# Altium PCB DIO_MCX.PCBDOC (part 2 of 3) (continued)
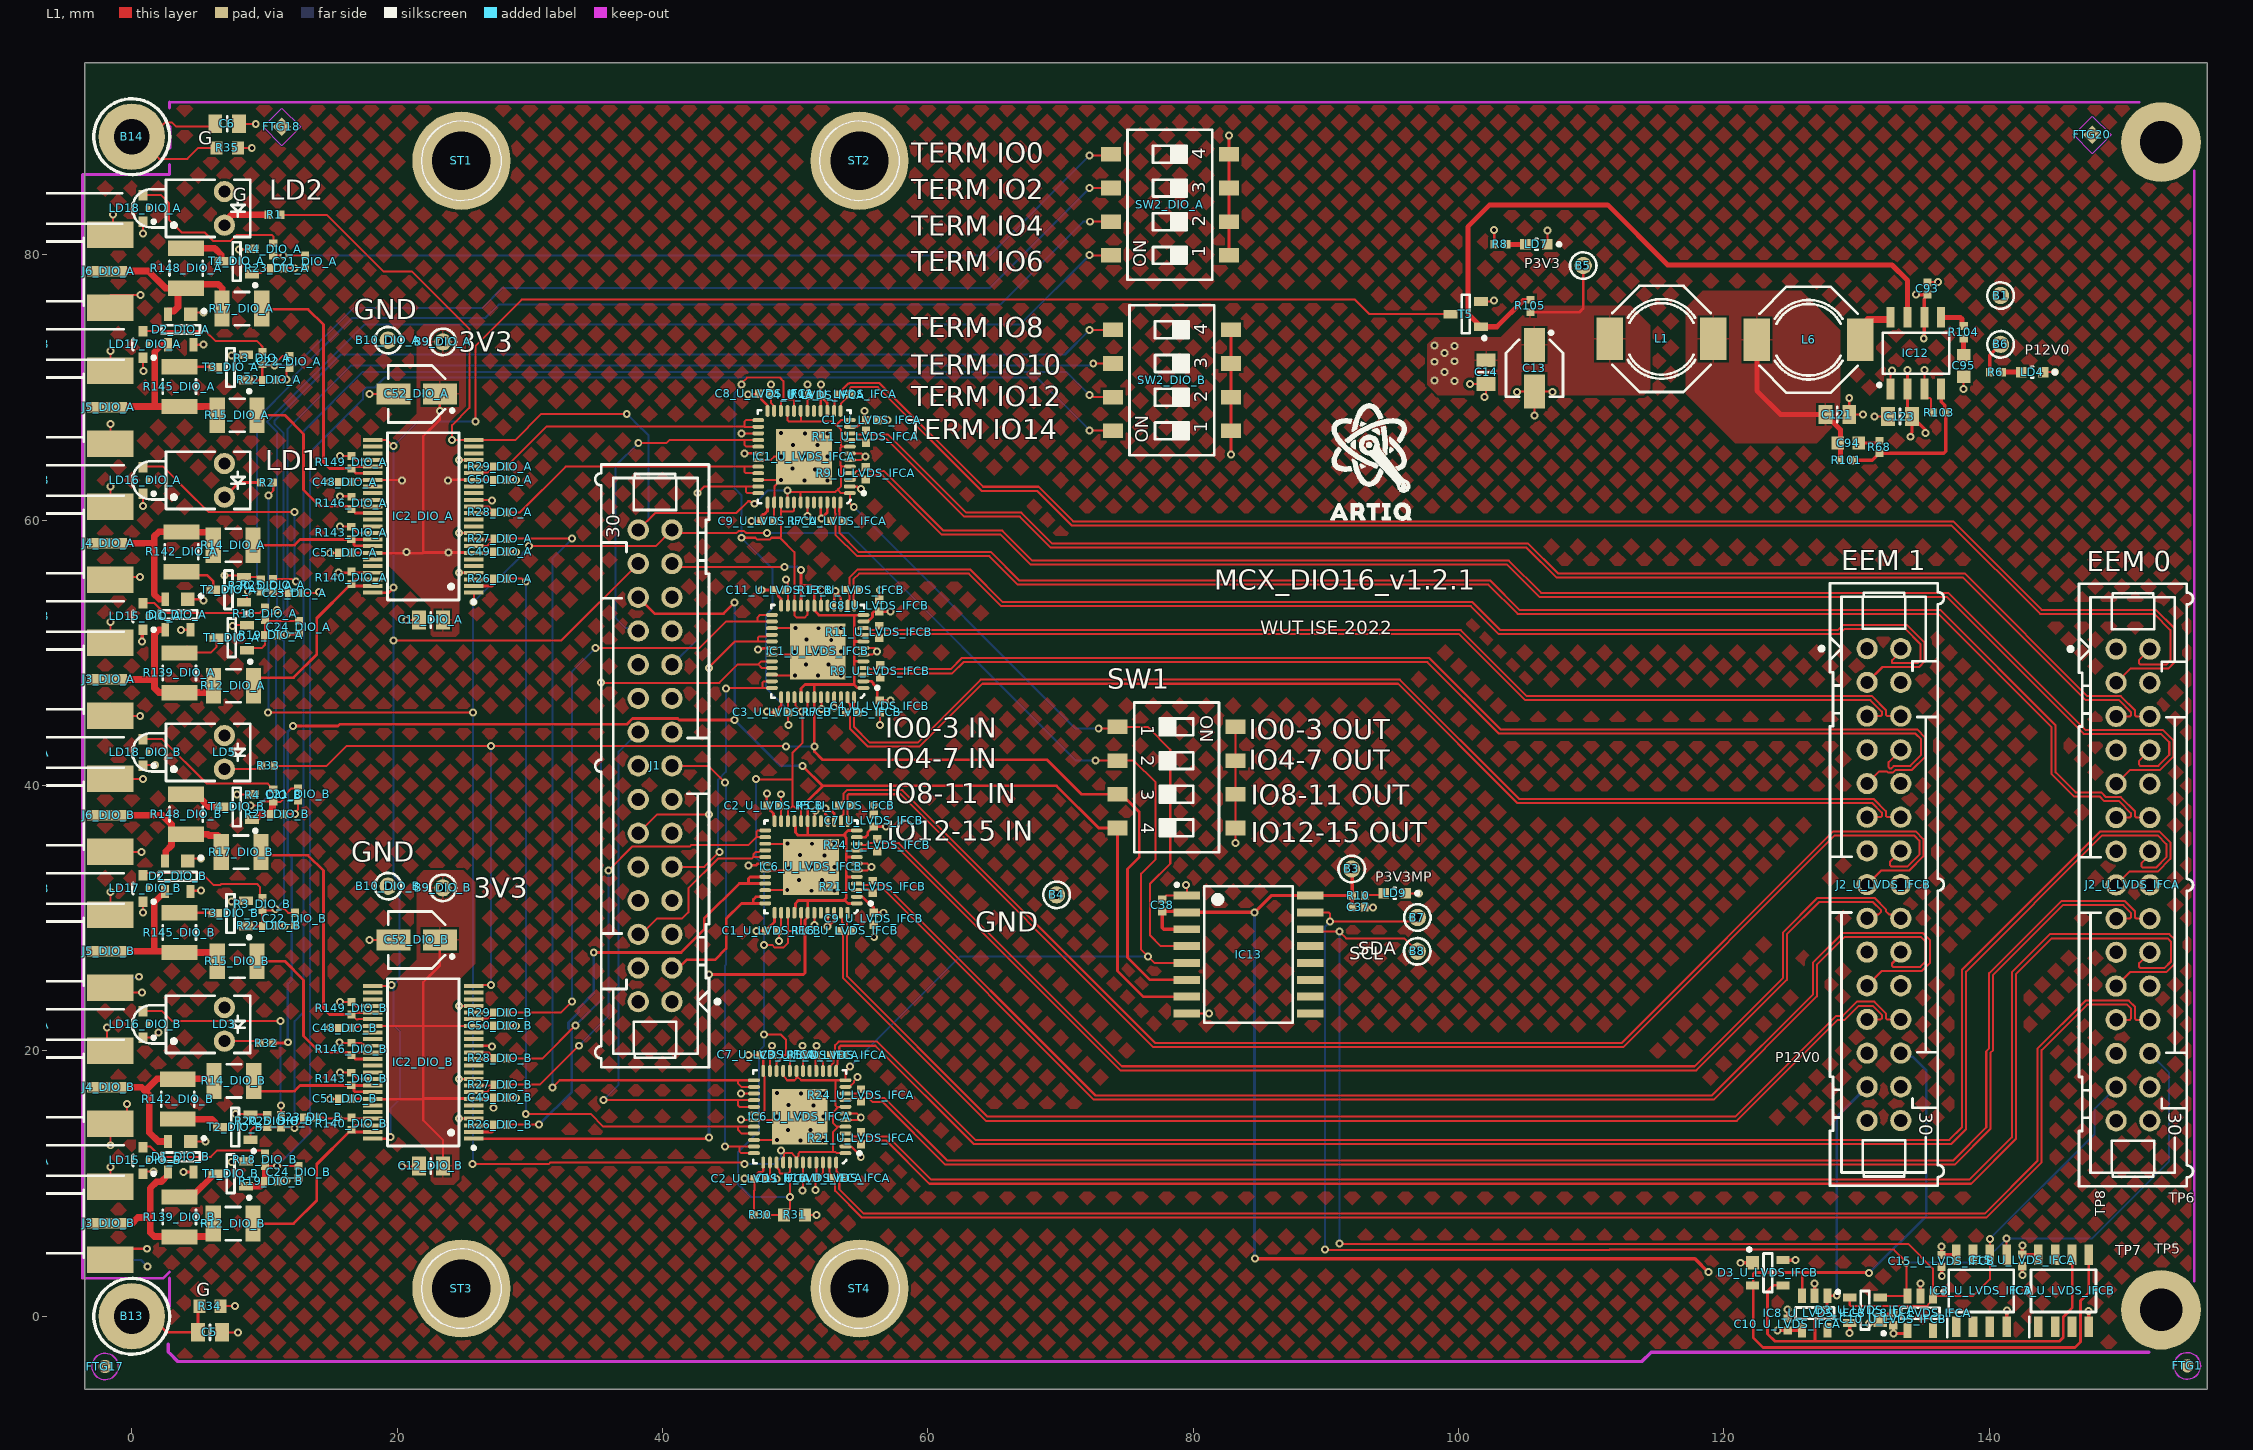
[diagram p0: L1 view]
## Nets (pads, with @x,y where several pads share a name; then routed paths per layer and width w, separated by ;. In a path a pad name is that pad's centre, name@x,y a point inside that pad or via, vN(x,y) a via of type N, cw(c..) or ccw(c..) an arc to the next point about the centre after c; other vN are vias at no path point) (continued)
  L1 w0.152: v1(-1.856,21.749) -1.856,20.238 J4_DIO_B.2@-1.606,19.988 ; J4_DIO_A.2@-1.726,61.56 -1.587,61.699 v1(-1.587,62.537) ; v1(-1.62,72.752) -1.606,72.738 J5_DIO_A.2@-1.606,72.238 ; J3_DIO_B.2@-1.606,5.088 v1(1.144,5.088) ; J3_DIO_B.2@-1.606,10.588 v1(-1.606,11.253) ; v1(-1.606,12.888) J4_DIO_B.2@-1.606,14.488 ; J4_DIO_B.2@-1.606,15.338 -0.449,15.338 -0.363,15.424 v1(-0.363,16) ; J5_DIO_B.2@-1.606,24.738 -1.256,24.388 v1(0.787,24.388) ; J5_DIO_B.2@-1.606,30.238 v1(-1.606,31.989) ; J6_DIO_B.2@-1.606,34.988 v1(0.748,34.988) ; J6_DIO_B.2@-1.606,40.488 v1(0.844,40.488) ; J3_DIO_A.2@-1.606,46.174 -1.419,45.987 -0.119,45.987 -0.119,45.416 0.068,45.229 v1(0.638,45.229) ; J3_DIO_A.2@-1.606,51.738 -1.606,52.334 v1(-1.602,52.338) ; J4_DIO_A.2@-1.606,56.424 -1.529,56.347 -0.009,56.347 -0.009,55.782 0.068,55.705 v1(0.633,55.705) ; J5_DIO_A.2@-1.606,66.738 -1.604,66.74 v1(-1.604,67.251) ; J6_DIO_A.2@-1.606,76.988 v1(0.647,76.988) ; J6_DIO_A.2@-1.606,81.5 -1.401,81.705 v1(-1.401,83.038) ; v1(0.838,81.621) 0.838,82.494 LD18_DIO_A.1@0.844,82.5 ; v1(0.839,61.068) LD16_DIO_A.1@0.839,62 ; LD15_DIO_B.1@0.844,10.798 0.969,10.923 v1(1.644,10.923) ; LD16_DIO_B.1@0.844,20.994 1.625,20.994 v1@1.933,21.303 ; v1(0.844,30.419) 0.844,31.139 0.981,31.276 LD17_DIO_B.1@0.844,31.413 ; LD18_DIO_B.1@0.844,41.532 v1(1.769,41.532) ; LD17_DIO_A.1@0.844,72.25 0.844,71.273 v1(0.879,71.239) ; D2_DIO_B.1@4.21,34.313 4.385,34.488 v2(5.222,34.488) ; D1_DIO_A.1@4.222,54.04 5.339,54.04 v2(5.419,53.96) ; D1_DIO_B.1@4.444,13.167 5.294,13.167 5.368,13.092 5.495,13.092 v2(5.569,13.167) ; D2_DIO_A.1@4.444,75.517 4.572,75.645 v2(5.419,75.645) ; R34.1@6.694,0.757 v1(7.797,0.757) ; C5.2@6.794,-1.212 v1(7.997,-1.212) ; v1(6.994,55.838) 8.313,55.838 T2_DIO_A.2@8.444,55.707 9.555,55.707 R20_DIO_A.1@9.724,55.538 ; v1(7.527,11.628) 7.591,11.692 T1_DIO_B.2@8.597,11.692 ; v1(7.527,31.269) 7.575,31.317 T3_DIO_B.2@8.594,31.317 ; v1(7.527,72.419) 7.575,72.467 T3_DIO_A.2@8.594,72.467 ; v1(7.607,52.024) 7.671,52.088 T1_DIO_A.2@8.677,52.088 ; v1(7.836,15.251) 8.886,15.251 T2_DIO_B.2@8.936,15.201 10.182,15.201 R20_DIO_B.1@10.208,15.175 ; v1(7.917,39.328) 7.927,39.338 T4_DIO_B.2@9.067,39.338 ; R35.1@7.994,88.056 v1(9.044,88.056) ; v1(8.09,80.404) 9.271,80.404 T4_DIO_A.2@9.319,80.452 ; C6.2@8.094,89.876 v1(9.344,89.876) ; R22_DIO_B.1@10.814,29.417 v1(11.531,29.417) 11.616,29.503 11.778,29.503 11.786,29.51 C22_DIO_B.1@12.296,29.51 ; R22_DIO_A.1@10.814,70.567 v1@11.638,70.567 ; R19_DIO_B.1@10.989,10.179 11.605,10.179 v1(11.668,10.242) 11.789,10.242 11.964,10.417 C24_DIO_B.1@12.575,10.417 ; R19_DIO_A.1@10.989,51.329 11.605,51.329 v1(11.668,51.392) 12.49,51.392 C24_DIO_A.1@12.594,51.496 ; R23_DIO_B.1@11.439,37.838 v1(12.296,37.838) 12.296,37.959 12.536,38.2 C21_DIO_B.1@12.536,38.878 ; R23_DIO_A.1@11.439,78.988 v1(12.27,78.988) 12.32,79.038 C21_DIO_A.1@13.066,79.038 ; v1(11.668,70.597) 11.668,71.269 C22_DIO_A.1@11.879,71.48 ; C23_DIO_A.1@12.746,54.502 14.033,54.502 v1(14.122,54.591) ; C23_DIO_B.1@13.894,14.987 14.404,14.987 14.493,14.898 v1(15.584,14.898) 15.594,14.888 IC2_DIO_B.45@18.169,14.888 ; v1(14.914,62.869) C48_DIO_A.1@15.644,62.869 ; v1(14.944,16.388) C51_DIO_B.1@15.634,16.388 ; v1(14.944,21.749) 15.614,21.749 C48_DIO_B.1@15.644,21.719 ; v1(14.944,57.538) C51_DIO_A.1@15.634,57.538 ; v1(15.584,56.048) 15.594,56.038 IC2_DIO_A.45@18.169,56.038 ; v1(15.644,20.653) 15.688,20.608 R146_DIO_B.1@16.554,20.608 17.287,20.608 17.36,20.535 17.447,20.535 17.594,20.388 IC2_DIO_B.34@18.169,20.388 ; v1(15.688,18.358) R143_DIO_B.1@16.544,18.358 17.014,17.888 IC2_DIO_B.39@18.169,17.888 ; v1(15.688,23.683) R149_DIO_B.1@16.554,23.683 16.922,23.314 17.049,23.314 17.123,23.388 IC2_DIO_B.28@18.169,23.388 ; v1(15.688,59.508) R143_DIO_A.1@16.544,59.508 17.014,59.038 IC2_DIO_A.39@18.169,59.038 ; v1(15.688,64.833) R149_DIO_A.1@16.554,64.833 16.922,64.464 17.049,64.464 17.123,64.538 IC2_DIO_A.28@18.169,64.538 ; v1(15.693,61.803) 16.51,61.803 R146_DIO_A.1@16.554,61.758 16.768,61.544 16.871,61.544 16.877,61.538 IC2_DIO_A.34@18.169,61.538 ; v1(17.919,28.361) C52_DIO_B.2@19.719,28.361 ; v1(17.919,69.511) C52_DIO_A.2@19.719,69.511 ; v1(20.369,11.28) 21.596,11.28 C12_DIO_B.1@21.644,11.328 ; v1(20.694,52.468) 20.704,52.478 C12_DIO_A.1@21.644,52.478 ; v1(24.669,14.888) IC2_DIO_B.4@25.769,14.888 ; v1(24.669,17.888) IC2_DIO_B.10@25.769,17.888 ; v1(24.669,23.388) IC2_DIO_B.21@25.769,23.388 ; v1(24.669,56.038) IC2_DIO_A.4@25.769,56.038 ; v1(24.669,59.038) IC2_DIO_A.10@25.769,59.038 ; v1(24.669,64.538) IC2_DIO_A.21@25.769,64.538 ; IC2_DIO_B.15@25.769,20.388 27.104,20.388 v1(27.153,20.339) ; IC2_DIO_A.15@25.769,61.538 27.104,61.538 v1(27.153,61.489) ; C49_DIO_B.1@28.219,16.464 v1(28.944,16.464) ; C50_DIO_B.1@28.219,21.888 v1(28.944,21.888) ; C49_DIO_A.1@28.219,57.614 v1(28.944,57.614) ; C50_DIO_A.1@28.219,63.038 v1(28.944,63.038) ; v1(45.933,14.816) 45.962,14.788 IC6_U_LVDS_IFCA.31@46.894,14.788 IC6_U_LVDS_IFCA.49@50.094,14.788 ; v1(45.933,16.788) IC6_U_LVDS_IFCA.27@46.894,16.788 ; v1(45.944,66.541) 47.216,66.541 IC1_U_LVDS_IFCA.27@47.219,66.538 ; IC6_U_LVDS_IFCA.34@46.894,13.288 IC6_U_LVDS_IFCA.49@48.594,13.288 ; IC1_U_LVDS_IFCA.34@47.219,63.038 v2(48.919,63.038) ; IC1_U_LVDS_IFCA.31@47.219,64.538 48.169,64.538 48.419,64.788 v2(48.944,64.788) ; IC6_U_LVDS_IFCB.34@47.744,32.113 47.752,32.122 v2(49.404,32.122) ; IC6_U_LVDS_IFCB.31@47.744,33.613 49.326,33.613 v2(49.479,33.766) ; IC6_U_LVDS_IFCB.27@47.744,35.613 47.772,35.585 49.389,35.585 v2(49.422,35.619) ; IC6_U_LVDS_IFCA.38@48.094,11.588 48.094,10.675 48.078,10.659 48.078,10.586 C2_U_LVDS_IFCA.1@47.844,10.352 v1(48.594,10.352) ; IC6_U_LVDS_IFCA.23@48.094,18.488 48.094,20.238 v1(48.244,20.388) ; v1(48.169,70.238) C8_U_LVDS_IFCA.1@48.169,69.53 48.169,68.838 48.345,68.662 48.345,68.652 48.419,68.578 IC1_U_LVDS_IFCA.23@48.419,68.238 ; IC1_U_LVDS_IFCB.34@48.244,48.358 48.291,48.311 v2(49.969,48.311) ; IC1_U_LVDS_IFCB.31@48.244,49.858 49.77,49.858 v2(49.969,50.057) ; C9_U_LVDS_IFCA.1@48.369,59.937 48.419,59.987 IC1_U_LVDS_IFCA.38@48.419,61.338 48.444,61.363 48.444,62.563 v2(50.669,64.788) ; v1(48.769,28.286) 48.769,28.963 C1_U_LVDS_IFCB.1@48.694,29.038 48.944,29.288 IC6_U_LVDS_IFCB.38@48.944,30.413 ; IC6_U_LVDS_IFCB.23@48.944,37.313 v1(48.944,39.343) ; v1(49.319,55.538) 49.405,55.453 49.405,55.264 49.444,55.225 IC1_U_LVDS_IFCB.23@49.444,53.558 ; IC1_U_LVDS_IFCB.38@49.444,46.658 49.444,44.614 v1(49.508,44.55) ; v2(50.018,51.859) IC1_U_LVDS_IFCB.27@48.245,51.859 ; v1(50.569,9.488) 50.594,9.513 IC6_U_LVDS_IFCA.43@50.594,11.588 ; v1(50.569,20.388) 50.594,20.363 IC6_U_LVDS_IFCA.18@50.594,18.488 ; R31.2@50.754,7.638 v1(51.594,7.638) ; IC1_U_LVDS_IFCA.43@50.919,61.338 50.919,60.353 v1(50.944,60.328) ; IC1_U_LVDS_IFCA.18@50.919,68.238 50.919,69.268 C4_U_LVDS_IFCA.1@51.069,69.418 50.919,69.568 v1(50.919,70.238) ; v1(51.444,29.498) IC6_U_LVDS_IFCB.43@51.444,30.413 ; IC6_U_LVDS_IFCB.18@51.444,37.313 51.472,37.341 51.472,38.084 v1(51.523,38.134) ; IC1_U_LVDS_IFCB.43@51.944,46.658 51.969,46.633 v1(51.969,45.763) ; IC1_U_LVDS_IFCB.18@51.944,53.558 51.944,54.656 v1(52.019,54.731) ; IC6_U_LVDS_IFCA.6@53.794,14.788 54.744,14.788 v1(54.944,14.988) 54.644,15.288 IC6_U_LVDS_IFCA.7@53.794,15.288 ; IC1_U_LVDS_IFCA.6@54.119,64.538 54.976,64.538 55.226,64.788 54.976,65.038 IC1_U_LVDS_IFCA.7@54.119,65.038 ; IC6_U_LVDS_IFCB.6@54.644,33.613 55.436,33.613 55.691,33.868 55.681,33.868 55.436,34.113 IC6_U_LVDS_IFCB.7@54.644,34.113 ; IC1_U_LVDS_IFCB.6@55.144,49.858 55.806,49.858 v1@55.971,50.023 ; IC1_U_LVDS_IFCB.7@55.144,50.358 v1@56.029,50.358 ; C9_U_LVDS_IFCB.1@55.919,29.513 55.919,28.618 v1(55.959,28.578) ; C7_U_LVDS_IFCB.1@55.919,37.813 55.919,38.516 v1(55.942,38.538) ; C1_U_LVDS_IFCA.1@56.229,67.538 v1(56.944,67.538) ; C8_U_LVDS_IFCB.1@56.344,54.008 56.344,54.718 v1(56.379,54.753) ; v1(56.379,44.55) C4_U_LVDS_IFCB.1@56.379,45.513 ; C38.1@77.669,31.413 77.964,31.708 IC13.1@79.519,31.708 79.519,32.438 v1(79.444,32.513) ; IC13.8@79.519,22.818 v1(81.194,22.818) ; v1(83.194,35.652) SW1.5@83.194,36.803 SW1.8@83.194,44.423 ; C37.1@92.906,30.818 v1(93.556,30.818) ; LD9.1@96.019,31.873 v1(97.019,31.873) ; v1(100.844,70.253) C14.1@102.069,70.253 102.069,69.514 101.944,69.389 v1(101.944,69.268) ; T5.2@101.694,76.478 102.622,76.478 v1(102.686,76.542) ; v1(104.394,69.651) 104.447,69.703 C13.2@105.719,69.703 ; v1(105.719,67.903) C13.2@105.719,69.703 ; LD7.1@106.694,80.788 v1(106.694,81.828) ; v1(107.094,69.663) 107.054,69.703 C13.2@105.719,69.703 ; v1(129.444,69.211) C121.1@129.444,67.963 v1(130.494,67.963) ; v1(131.339,67.813) C123.1@132.369,67.813 ; IC12.1@132.564,69.888 132.564,70.952 132.588,70.976 132.588,71.18 v1(132.674,71.265) ; v1(135.101,71.323) 135.104,71.32 IC12.3@135.104,69.888 135.104,69.434 135.328,69.211 135.52,69.211 135.609,69.121 135.609,68.278 R103.2@135.774,68.113 ; C93.1@135.334,77.903 135.384,77.953 v1(136.122,77.953) ; C15_U_LVDS_IFCB.1@136.406,3.706 136.407,3.708 C15_U_LVDS_IFCB.1@136.417,3.699 ; v1(138.069,69.888) C95.1@138.069,70.823 ; LD4.1@144.069,71.153 v1(144.944,71.153) ; IC1_U_LVDS_IFCB.27@48.244,51.858 IC1_U_LVDS_IFCB.27@48.245,51.859
  L1 w0.254: v1(0.759,50.851) 0.801,50.893 0.801,51.708 LD15_DIO_A.1@0.844,51.75 ; v1(121.264,4.032) D3_U_LVDS_IFCB.1@122.156,4.032 ; C10_U_LVDS_IFCA.1@124.807,-0.163 v1(124.807,0.515) ; IC8_U_LVDS_IFCB.2@126.833,1.78 126.837,1.783 126.837,2.464 v1(126.833,2.468) ; v1(130.936,-0.542) 131.723,-0.542 D3_U_LVDS_IFCA.1@131.775,-0.594 ; D3_U_LVDS_IFCA.1@131.782,-0.547 132.155,-0.174 132.155,-0.039 132.334,0.14 C10_U_LVDS_IFCB.1@132.844,0.14 ; IC8_U_LVDS_IFCA.2@134.798,1.529 v1(134.798,2.47) ; v1(136.417,3.023) C15_U_LVDS_IFCB.1@136.417,3.699 ; IC3_U_LVDS_IFCA.4@141.307,-0.795 141.313,-0.788 141.313,0.419 v1(141.32,0.425) ; v1(142.491,3.096) C15_U_LVDS_IFCA.1@142.491,3.765 ; v1(147.467,0.391) 147.483,0.374 147.483,-0.778 IC3_U_LVDS_IFCB.4@147.5,-0.795
  L4 w0.152: v1(-1.856,21.749) -1.856,20.238 J4_DIO_B.2@-1.606,19.988 ; v1(-1.62,72.752) -1.606,72.738 J5_DIO_A.2@-1.606,72.238 ; J3_DIO_B.2@-1.606,4.238 0.694,4.238 v1(1.194,3.738) ; J3_DIO_B.2@-1.606,9.738 v1(-1.606,11.253) ; v1(-1.606,12.888) J4_DIO_B.2@-1.606,14.488 ; J5_DIO_B.2@-1.606,24.738 -0.833,25.511 0.467,25.511 v1(0.544,25.588) ; J5_DIO_B.2@-1.606,30.238 v1(-1.606,31.989) ; J6_DIO_B.2@-1.606,34.988 v1(0.748,34.988) ; J6_DIO_B.2@-1.606,40.488 v1(0.844,40.488) ; J3_DIO_A.2@-1.606,46.174 -1.419,45.987 -0.119,45.987 -0.119,45.416 0.068,45.229 v1(0.638,45.229) ; J3_DIO_A.2@-1.606,51.738 -1.606,52.334 v1(-1.602,52.338) ; J4_DIO_A.2@-1.606,56.424 -1.529,56.347 -0.009,56.347 -0.009,55.782 0.068,55.705 v1(0.633,55.705) ; J4_DIO_A.2@-1.606,61.988 -1.606,62.519 v1(-1.587,62.537) ; J5_DIO_A.2@-1.606,66.738 -1.604,66.74 v1(-1.604,67.251) ; J6_DIO_A.2@-1.606,76.988 v1(0.647,76.988) ; J6_DIO_A.2@-1.606,81.5 -1.401,81.705 v1(-1.401,83.038)
  other v1: 2.019,21.388 55.749,33.868 56.154,50.104 55.289,64.788
  other v2: 50.384,13.245 52.119,13.245 48.619,13.288 49.456,14.054 51.167,14.054 48.619,15.038 50.344,15.038 52.119,15.038 49.505,15.925 51.369,15.903 50.421,16.788 52.119,16.793 48.619,16.838 51.234,32.07 52.969,32.07 50.306,32.879 52.017,32.879 51.194,33.863 52.969,33.863 52.219,34.728 50.355,34.75 51.271,35.613 52.969,35.618 51.734,48.311 53.469,48.311 50.806,49.121 52.517,49.121 51.694,50.104 53.469,50.104 52.719,50.969 50.855,50.991 51.771,51.854 53.469,51.859 50.709,62.995 52.444,62.995 51.492,63.804 49.781,63.9 52.444,64.788 51.694,65.653 49.83,65.675 50.746,66.538 52.444,66.543 48.944,66.588
I2C_SCL: B8.1 D3_U_LVDS_IFCA.3 IC3_U_LVDS_IFCA.6 IC8_U_LVDS_IFCA.1 IC13.14 J2_U_LVDS_IFCA.27 | length 110.4
  L1 w0.152: IC13.14@88.819,29.168 88.999,28.988 v1(91.019,28.988) 91.519,28.488 95.908,28.488 B8.1@96.888,27.508 ; v1(91.042,5.488) 91.069,5.461 133.878,5.461 135.748,3.592 IC8_U_LVDS_IFCA.1@135.748,1.535 ; D3_U_LVDS_IFCA.3@129.482,1.407 129.482,0.856 129.571,0.767 135.273,0.767 135.524,1.018 135.524,1.311 IC8_U_LVDS_IFCA.1@135.748,1.535 ; v1(140.046,5.837) 140.046,4.639 IC3_U_LVDS_IFCA.6@140.037,4.629 140.037,2.784 138.788,1.535 IC8_U_LVDS_IFCA.1@135.748,1.535
  L4 w0.152: v1(91.019,28.988) 91.042,28.965 v1(91.042,5.488) ; v1(140.046,5.837) 147.944,13.736 147.944,15.652 J2_U_LVDS_IFCA.27@149.558,17.267
I2C_SCL_U_LVDS_IFCB: D3_U_LVDS_IFCB.3 IC3_U_LVDS_IFCB.6 IC8_U_LVDS_IFCB.1 J2_U_LVDS_IFCB.27 | length 54.9
  L1 w0.203: D3_U_LVDS_IFCB.3@124.456,2.332 123.699,2.332 123.277,1.91 123.277,-1.32 123.841,-1.884 126.87,-1.884 ; IC8_U_LVDS_IFCB.1@127.772,1.445 127.772,0.601 126.87,-0.301 126.87,-1.884 ; IC8_U_LVDS_IFCB.1@127.79,1.535 127.807,1.552 v1(128.501,1.552) ; IC3_U_LVDS_IFCB.6@146.23,4.629 146.259,4.6 146.259,1.607 146.259,0.646 145.571,-0.042 145.571,-1.594 145.281,-1.884 126.87,-1.884
  L4 w0.203: v1@128.529,1.58 v1(128.501,1.552) 128.501,15.031 130.762,17.292 J2_U_LVDS_IFCB.27@130.788,17.292
I2C_SDA: B7.1 D3_U_LVDS_IFCA.2 IC3_U_LVDS_IFCA.5 IC8_U_LVDS_IFCA.3 IC13.15 J2_U_LVDS_IFCA.26 | length 115.4
  L1 w0.152: IC13.15@88.819,30.438 90.218,30.438 90.307,30.349 v1(90.307,29.738) 96.268,29.738 96.583,30.053 B7.1@96.894,30.053 ; v1(89.944,5.039) 89.998,4.985 111.346,4.985 111.375,5.014 132.807,5.014 133.767,4.054 133.767,1.594 133.708,1.535 131.91,1.535 D3_U_LVDS_IFCA.2@131.782,1.407 ; IC3_U_LVDS_IFCA.5@141.307,4.629 141.31,4.633 v1(141.31,5.845)
  L4 w0.152: v1(89.944,5.039) 89.944,29.375 v1(90.307,29.738) ; v1(133.721,4.055) 139.52,4.055 v1(141.31,5.845) 147.708,5.845 153.558,11.695 153.558,18.347 J2_U_LVDS_IFCA.26@152.098,19.807
I2C_SDA_U_LVDS_IFCB: D3_U_LVDS_IFCB.2 IC3_U_LVDS_IFCB.5 IC8_U_LVDS_IFCB.3 J2_U_LVDS_IFCB.26 | length 66.9
  L1 w0.203: D3_U_LVDS_IFCB.2@122.156,2.332 D3_U_LVDS_IFCB.2@122.199,2.375 ; IC8_U_LVDS_IFCB.3@125.89,1.535 125.89,3.288 ; v1(130.947,3.252) 130.895,3.303 122.318,3.303 122.199,3.184 D3_U_LVDS_IFCB.2@122.199,2.375 ; IC3_U_LVDS_IFCB.5@147.5,4.629 147.5,1.801 146.867,1.168 146.867,-1.927 146.445,-2.349 122.951,-2.349 122.199,-1.597 D3_U_LVDS_IFCB.2@122.199,2.375
  L4 w0.203: v1(130.947,3.252) 135.253,7.558 135.253,18.513 134.201,19.565 133.595,19.565 J2_U_LVDS_IFCB.26@133.328,19.832
IO0: IC1_U_LVDS_IFCA.25 IC1_U_LVDS_IFCA.26 R29_DIO_A.2 | length 21.7
  L1 w0.152: R29_DIO_A.2@28.239,64.038 31.245,67.045 46.188,67.045 46.194,67.038 ; IC1_U_LVDS_IFCA.26@47.219,67.038 46.194,67.038 ; IC1_U_LVDS_IFCA.25@47.219,67.538 46.283,67.538 46.194,67.449 46.194,67.038
IO1: IC1_U_LVDS_IFCA.28 IC1_U_LVDS_IFCA.29 J1.24 | length 26.6
  L1 w0.152: v1(38.174,65.811) 40.291,65.811 40.518,66.038 46.194,66.038 ; IC1_U_LVDS_IFCA.29@47.219,65.538 47.216,65.541 46.305,65.541 46.194,65.653 46.194,66.038 ; IC1_U_LVDS_IFCA.28@47.219,66.038 46.194,66.038
  L4 w0.152: J1.24@38.174,51.648 37.966,51.856 37.235,51.856 36.444,52.646 36.444,64.081 v1(38.174,65.811)
IO2: IC1_U_LVDS_IFCA.32 IC1_U_LVDS_IFCA.33 R28_DIO_A.2 | length 21.9
  L1 w0.152: R28_DIO_A.2@28.259,60.588 29.258,60.588 32.708,64.038 46.194,64.038 ; IC1_U_LVDS_IFCA.33@47.219,63.538 46.283,63.538 46.194,63.627 46.194,64.038 ; IC1_U_LVDS_IFCA.32@47.219,64.038 46.194,64.038
IO3: IC1_U_LVDS_IFCA.35 IC1_U_LVDS_IFCA.36 J1.21 | length 19.9
  L1 w0.152: v1(42.644,62.038) 43.144,62.538 46.283,62.538 ; IC1_U_LVDS_IFCA.36@47.219,62.038 46.373,62.038 46.283,62.127 46.283,62.538 ; IC1_U_LVDS_IFCA.35@47.219,62.538 46.283,62.538
  L4 w0.152: J1.21@40.714,49.108 42.644,51.039 v1(42.644,62.038)
IO4: IC6_U_LVDS_IFCA.25 IC6_U_LVDS_IFCA.26 R27_DIO_A.2 | length 63.9
  L1 w0.152: R27_DIO_A.2@28.259,58.604 v1(33.194,58.604) ; v1(31.694,17.238) 32.244,17.788 45.694,17.788 ; IC6_U_LVDS_IFCA.26@46.894,17.288 46.891,17.291 45.941,17.291 45.694,17.538 45.694,17.788 ; IC6_U_LVDS_IFCA.25@46.894,17.788 45.694,17.788
  L4 w0.152: v1(31.694,17.238) 31.694,57.104 v1(33.194,58.604)
IO5: IC6_U_LVDS_IFCA.28 IC6_U_LVDS_IFCA.29 J1.18 | length 41.8
  L1 w0.152: v1(35.544,16.288) 45.694,16.288 ; IC6_U_LVDS_IFCA.29@46.894,15.788 45.794,15.788 45.694,15.888 45.694,16.288 ; IC6_U_LVDS_IFCA.28@46.894,16.288 46.891,16.285 45.725,16.285 45.722,16.288 45.694,16.288
  L4 w0.152: v1(35.544,16.288) 36.694,17.438 36.694,42.548 J1.18@38.174,44.028
IO6: IC6_U_LVDS_IFCA.32 IC6_U_LVDS_IFCA.33 R26_DIO_A.2 | length 60.8
  L1 w0.152: R26_DIO_A.2@28.239,55.588 29.395,55.588 29.598,55.385 v1(29.708,55.385) ; v1(29.694,15.251) 34.582,15.251 35.545,14.288 45.694,14.288 ; IC6_U_LVDS_IFCA.33@46.894,13.788 45.944,13.788 45.694,14.038 45.694,14.288 ; IC6_U_LVDS_IFCA.32@46.894,14.288 45.694,14.288
  L4 w0.152: v1(29.694,15.251) 29.708,15.265 v1(29.708,55.385)
IO7: IC6_U_LVDS_IFCA.35 IC6_U_LVDS_IFCA.36 J1.15 | length 35.8
  L1 w0.152: J1.15@40.714,41.488 43.444,41.488 v1(44.694,40.238) ; v1(44.694,12.788) 45.794,12.788 ; IC6_U_LVDS_IFCA.36@46.894,12.288 45.933,12.288 45.794,12.428 45.794,12.788 ; IC6_U_LVDS_IFCA.35@46.894,12.788 45.794,12.788
  L4 w0.152: v1(44.694,12.788) 44.694,26.411 44.796,26.513 44.796,40.015 44.694,40.117 v1(44.694,40.238)
IO8: IC1_U_LVDS_IFCB.25 IC1_U_LVDS_IFCB.26 R29_DIO_B.2 | length 48.2
  L1 w0.152: R29_DIO_B.2@28.239,22.888 32.345,22.888 v1(33.169,23.713) ; v1(34.944,50.358) 42.773,50.358 44.773,52.358 47.169,52.358 ; IC1_U_LVDS_IFCB.26@48.244,52.358 47.169,52.358 ; IC1_U_LVDS_IFCB.25@48.244,52.858 47.351,52.858 47.169,52.676 47.169,52.358
  L4 w0.152: v1(33.169,23.713) 33.169,48.583 v1(34.944,50.358)
IO9: IC1_U_LVDS_IFCB.28 IC1_U_LVDS_IFCB.29 J1.12 | length 24
  L1 w0.152: J1.12@38.174,36.408 39.579,37.813 v1(43.508,37.813) ; v1(43.508,48.858) 43.508,48.922 45.444,50.858 47.194,50.858 ; IC1_U_LVDS_IFCB.29@48.244,50.858 47.194,50.858 ; IC1_U_LVDS_IFCB.28@48.244,51.358 47.91,51.358 47.781,51.229 47.283,51.229 47.194,51.14 47.194,50.858
  L4 w0.152: v1(43.508,37.813) v1(43.508,48.858)
IO10: IC1_U_LVDS_IFCB.32 IC1_U_LVDS_IFCB.33 R28_DIO_B.2 | length 47.6
  L1 w0.152: R28_DIO_B.2@28.259,19.438 30.964,19.438 v1(33.444,21.918) ; v1(35.38,47.769) 35.41,47.739 44.293,47.739 45.684,49.13 47.216,49.13 ; IC1_U_LVDS_IFCB.33@48.244,48.858 47.488,48.858 47.216,49.13 ; IC1_U_LVDS_IFCB.32@48.244,49.358 47.444,49.358 47.216,49.13
  L4 w0.152: v1(33.444,21.918) 35.38,23.854 v1(35.38,47.769)
IO11: IC1_U_LVDS_IFCB.35 IC1_U_LVDS_IFCB.36 J1.9 | length 21.3
  L1 w0.152: J1.9@40.714,33.868 43.161,33.868 v1(44.293,35) ; v1(44.773,47.306) 44.825,47.358 47.57,47.358 ; IC1_U_LVDS_IFCB.36@48.244,47.358 47.57,47.358 ; IC1_U_LVDS_IFCB.35@48.244,47.858 47.633,47.858 47.544,47.769 47.544,47.384 47.57,47.358
  L4 w0.152: v1(44.293,35) 44.207,35.085 44.207,35.296 44.191,35.313 44.191,40.447 44.773,41.029 v1(44.773,47.306)
IO12: IC6_U_LVDS_IFCB.25 IC6_U_LVDS_IFCB.26 R27_DIO_B.2 | length 34.8
  L1 w0.152: R27_DIO_B.2@28.259,17.454 30.76,17.454 v1(33.694,20.388) ; v1(35.944,33.613) 37.736,35.405 42.055,35.405 42.153,35.503 46.471,35.503 47.082,36.113 ; IC6_U_LVDS_IFCB.26@47.744,36.113 47.082,36.113 ; IC6_U_LVDS_IFCB.25@47.744,36.613 47.171,36.613 47.082,36.524 47.082,36.113
  L4 w0.152: v1(33.694,20.388) 35.944,22.638 v1(35.944,33.613)
IO13: IC6_U_LVDS_IFCB.28 IC6_U_LVDS_IFCB.29 J1.6 | length 14.3
  L1 w0.152: J1.6@38.174,28.788 38.404,28.788 39.579,29.963 41.459,29.963 41.944,30.448 41.944,32.256 44.185,34.497 46.727,34.497 46.844,34.613 ; IC6_U_LVDS_IFCB.29@47.744,34.613 46.844,34.613 ; IC6_U_LVDS_IFCB.28@47.744,35.113 47.404,35.113 47.291,35 47.044,35 46.844,34.8 46.844,34.613
IO14: IC6_U_LVDS_IFCB.32 IC6_U_LVDS_IFCB.33 R26_DIO_B.2 | length 34.6
  L1 w0.152: R26_DIO_B.2@28.239,14.438 v1(30.704,14.438)
  L1 w0.203: v1(34.819,27.409) 41.408,27.409 43.143,29.144 43.143,29.963 45.793,32.613 46.484,32.613 ; IC6_U_LVDS_IFCB.33@47.744,32.613 46.484,32.613 ; IC6_U_LVDS_IFCB.32@47.744,33.113 46.607,33.113 46.484,32.99 46.484,32.613
  L4 w0.203: v1(30.704,14.438) 33.165,16.9 33.165,21.449 32.915,21.699 32.915,22.137 33.694,22.916 33.694,23.238 34.819,24.363 v1(34.819,27.409)
IO15: IC6_U_LVDS_IFCB.35 IC6_U_LVDS_IFCB.36 J1.3 | length 11.6
  L1 w0.203: J1.3@40.714,26.248 40.981,26.515 41.476,26.515 41.822,26.861 43.944,26.861 44.796,27.714 44.796,29.96 45.949,31.113 46.844,31.113 ; IC6_U_LVDS_IFCB.36@47.744,31.113 46.844,31.113 ; IC6_U_LVDS_IFCB.35@47.744,31.613 47.044,31.613 46.844,31.413 46.844,31.113
IOA_DIO_A: D2_DIO_A.2 J6_DIO_A.1 R17_DIO_A.1 R148_DIO_A.2 | length 12.7
  L1 w0.5: J6_DIO_A.1@-1.68,78.78 1.245,78.78 2.536,77.488 3.185,77.488 3.806,77.488 3.481,77.163 3.481,76.06 3.188,75.767 2.794,75.767 2.744,75.717 D2_DIO_A.2@2.744,75.517 ; R148_DIO_A.2@4.094,77.488 4.379,77.773 6.525,77.773 6.818,77.481 R17_DIO_A.1@6.818,76.388
IOA_DIO_B: D2_DIO_B.2 J6_DIO_B.1 R17_DIO_B.1 R148_DIO_B.2 | length 12.7
  L1 w0.5: J6_DIO_B.1@-1.856,37.75 2.317,37.75 2.994,37.073 2.994,36.663 R148_DIO_B.2@3.319,36.338 ; D2_DIO_B.2@2.51,34.313 2.56,34.363 2.56,35.047 2.994,35.481 2.994,36.013 R148_DIO_B.2@3.319,36.338 ; R17_DIO_B.1@6.818,35.238 6.818,35.906 6.493,36.231 5.825,36.231 5.718,36.338 R148_DIO_B.2@4.094,36.338 R148_DIO_B.2@3.319,36.338
IOB_DIO_A: D2_DIO_A.3 J5_DIO_A.1 R15_DIO_A.1 R145_DIO_A.2 | length 14.1
  L1 w0.5: J5_DIO_A.1@-1.788,68.569 1.735,68.569 ; D2_DIO_A.3@2.744,73.217 2.256,73.217 1.735,72.697 1.735,68.569 ; R15_DIO_A.1@6.444,67.911 6.444,68.244 6.119,68.569 R145_DIO_A.2@3.594,68.569 1.735,68.569
IOB_DIO_B: D2_DIO_B.3 J5_DIO_B.1 R15_DIO_B.1 R145_DIO_B.2 | length 13.8
  L1 w0.5: J5_DIO_B.1@-1.856,27.5 1.57,27.5 ; D2_DIO_B.3@2.51,32.013 2.51,31.813 2.46,31.763 2.26,31.763 1.695,31.198 1.695,27.625 1.57,27.5 ; R15_DIO_B.1@6.444,26.761 6.444,27.094 6.119,27.419 R145_DIO_B.2@3.594,27.419 3.513,27.5 1.57,27.5
IOC_DIO_A: D1_DIO_A.2 J4_DIO_A.1 R14_DIO_A.1 R142_DIO_A.2 | length 14.3
  L1 w0.5: J4_DIO_A.1@-1.856,58.25 1.682,58.25 ; D1_DIO_A.2@2.522,54.04 2.066,54.04 1.685,54.421 1.685,58.767 2.032,59.114 R142_DIO_A.2@3.749,59.114 3.765,59.098 5.819,59.098 6.144,58.773 R14_DIO_A.1@6.144,58.114
IOC_DIO_B: D1_DIO_B.2 J4_DIO_B.1 R14_DIO_B.1 R142_DIO_B.2 | length 13.6
  L1 w0.5: J4_DIO_B.1@-1.856,17.25 0.76,17.25 ; 0.748,17.238 1.001,16.985 ; D1_DIO_B.2@2.744,13.167 2.01,13.167 1.322,13.855 1.322,16.664 1.001,16.985 ; R14_DIO_B.1@6.197,17.738 6.047,17.888 1.905,17.888 1.001,16.985
IOD_DIO_A: D1_DIO_A.3 J3_DIO_A.1 R12_DIO_A.1 R139_DIO_A.2 | length 13.3
  L1 w0.5: J3_DIO_A.1@-1.852,47.996 1.557,47.996 ; D1_DIO_A.3@2.522,51.74 2.022,51.74 1.716,51.433 1.716,47.345 2.044,47.017 5.842,47.017 6.167,47.342 R12_DIO_A.1@6.167,47.521
IOD_DIO_B: D1_DIO_B.3 J3_DIO_B.1 R12_DIO_B.1 R139_DIO_B.2 | length 14.4
  L1 w0.5: J3_DIO_B.1@-1.856,7 0.009,7 0.453,7.443 1.36,7.443 1.398,7.481 ; D1_DIO_B.3@2.744,10.867 2.744,10.667 2.207,10.129 1.867,10.129 1.398,9.66 1.398,7.481 ; R12_DIO_B.1@6.144,6.981 6.144,6.342 5.819,6.017 3.594,6.017 1.691,6.017 1.398,6.31 1.398,7.481
LEDA_DIO_A: LD15_DIO_A.2 R18_DIO_A.2 | length 9.4
  L1 w0.152: LD15_DIO_A.2@1.091,53.78 1.118,53.753 1.712,53.753 2.458,53.007 9.633,53.007 R18_DIO_A.2@10.044,53.418
LEDA_DIO_B: LD15_DIO_B.2 R18_DIO_B.2 | length 9.8
  L1 w0.152: LD15_DIO_B.2@0.844,12.798 1.392,12.798 2.173,12.017 5.958,12.017 6.444,12.503 9.809,12.503 R18_DIO_B.2@10.044,12.268
LEDB_DIO_A: LD16_DIO_A.2 R25_DIO_A.2 | length 20
  L1 w0.152: LD16_DIO_A.2@0.704,64.062 2.32,64.062 4.844,61.538 4.869,61.538 5.799,60.608 v1(12.27,60.608) ; R25_DIO_A.2@10.655,55.568 12.063,55.568 12.246,55.385 v1(12.367,55.385)
  L4 w0.152: v1(12.27,60.608) 12.27,55.603 12.367,55.506 v1(12.367,55.385)
LEDB_DIO_B: LD16_DIO_B.2 R25_DIO_B.2 | length 17.8
  L1 w0.152: LD16_DIO_B.2@0.844,22.994 2.294,22.994 3.05,22.238 v1(11.194,22.238) ; R25_DIO_B.2@11.254,15.168 v1(11.254,15.888)
  L4 w0.152: v1(11.194,22.238) 11.194,15.948 v1(11.254,15.888)
LEDC_DIO_A: LD17_DIO_A.2 R3_DIO_A.2 | length 9.9
  L1 w0.152: LD17_DIO_A.2@0.844,74.25 5.559,74.25 6.295,73.514 9.419,73.514 9.754,73.179 ; 9.755,73.179 9.844,73.09 R3_DIO_A.2@9.844,72.689
LEDC_DIO_B: LD17_DIO_B.2 R3_DIO_B.2 | length 10.2
  L1 w0.152: LD17_DIO_B.2@0.844,33.413 5.241,33.413 6.166,32.488 6.647,32.488 6.744,32.585 9.441,32.585 9.662,32.364 9.662,31.722 R3_DIO_B.2@9.844,31.539
LEDD_DIO_A: LD18_DIO_A.2 R4_DIO_A.2 | length 12.7
  L1 w0.152: LD18_DIO_A.2@0.844,84.5 2.216,84.5 2.819,83.897 2.819,82.618 3.749,81.688 5.482,81.688 6.123,81.047 7.456,81.047 7.895,81.486 10.579,81.486 10.668,81.397 R4_DIO_A.2@10.668,80.878
LEDD_DIO_B: LD18_DIO_B.2 R4_DIO_B.2 | length 11.4
  L1 w0.152: LD18_DIO_B.2@0.844,43.5 2.307,43.5 5.669,40.138 10.258,40.138 R4_DIO_B.2@10.668,39.728
LVDS0_U_LVDS_IFCA_N: IC1_U_LVDS_IFCA.14 J2_U_LVDS_IFCA.3 R13_U_LVDS_IFCA.2 | length 117.8
  L1 w0.152: IC1_U_LVDS_IFCA.14@52.919,68.238 52.919,68.578 52.974,68.633 52.974,69.247 R13_U_LVDS_IFCA.2@53.277,69.55 ; R13_U_LVDS_IFCA.2@53.188,69.48 53.188,69.5 53.986,70.298 54.055,70.298 54.092,70.335 56.353,70.335 64.169,62.52 68.351,62.52 70.954,59.917 137.271,59.917 143.95,53.238 152.56,53.238 153.956,51.842 153.956,49.297 153.473,48.814 150.626,48.814 J2_U_LVDS_IFCA.3@149.558,47.747
LVDS0_U_LVDS_IFCA_P: IC1_U_LVDS_IFCA.13 J2_U_LVDS_IFCA.2 R13_U_LVDS_IFCA.1 | length 115.4
  L1 w0.152: IC1_U_LVDS_IFCA.13@53.419,68.238 53.447,68.266 53.447,68.78 53.971,69.303 53.971,69.323 R13_U_LVDS_IFCA.1@54.128,69.48 54.128,69.94 54.218,70.03 56.227,70.03 64.042,62.215 68.225,62.215 70.828,59.612 137.145,59.612 143.824,52.933 152.434,52.933 153.652,51.716 153.652,49.423 153.347,49.119 151.375,49.119 151.286,49.208 151.286,49.474 J2_U_LVDS_IFCA.2@152.098,50.287